# Altium PCB Coral Dev Board Micro.PcbDoc (part 5 of 6)
Units mm, origin at the board's own origin, x right, y up, seen from the top; angles counter-clockwise.
Board outline 65 x 30 mm, 8 copper layers (Top Layer, L2, L3, L4, L5, L6, L7, Bottom Layer), stack 1.582 mm thick; 356 components, 316 nets, 1515 pads, 809 vias.
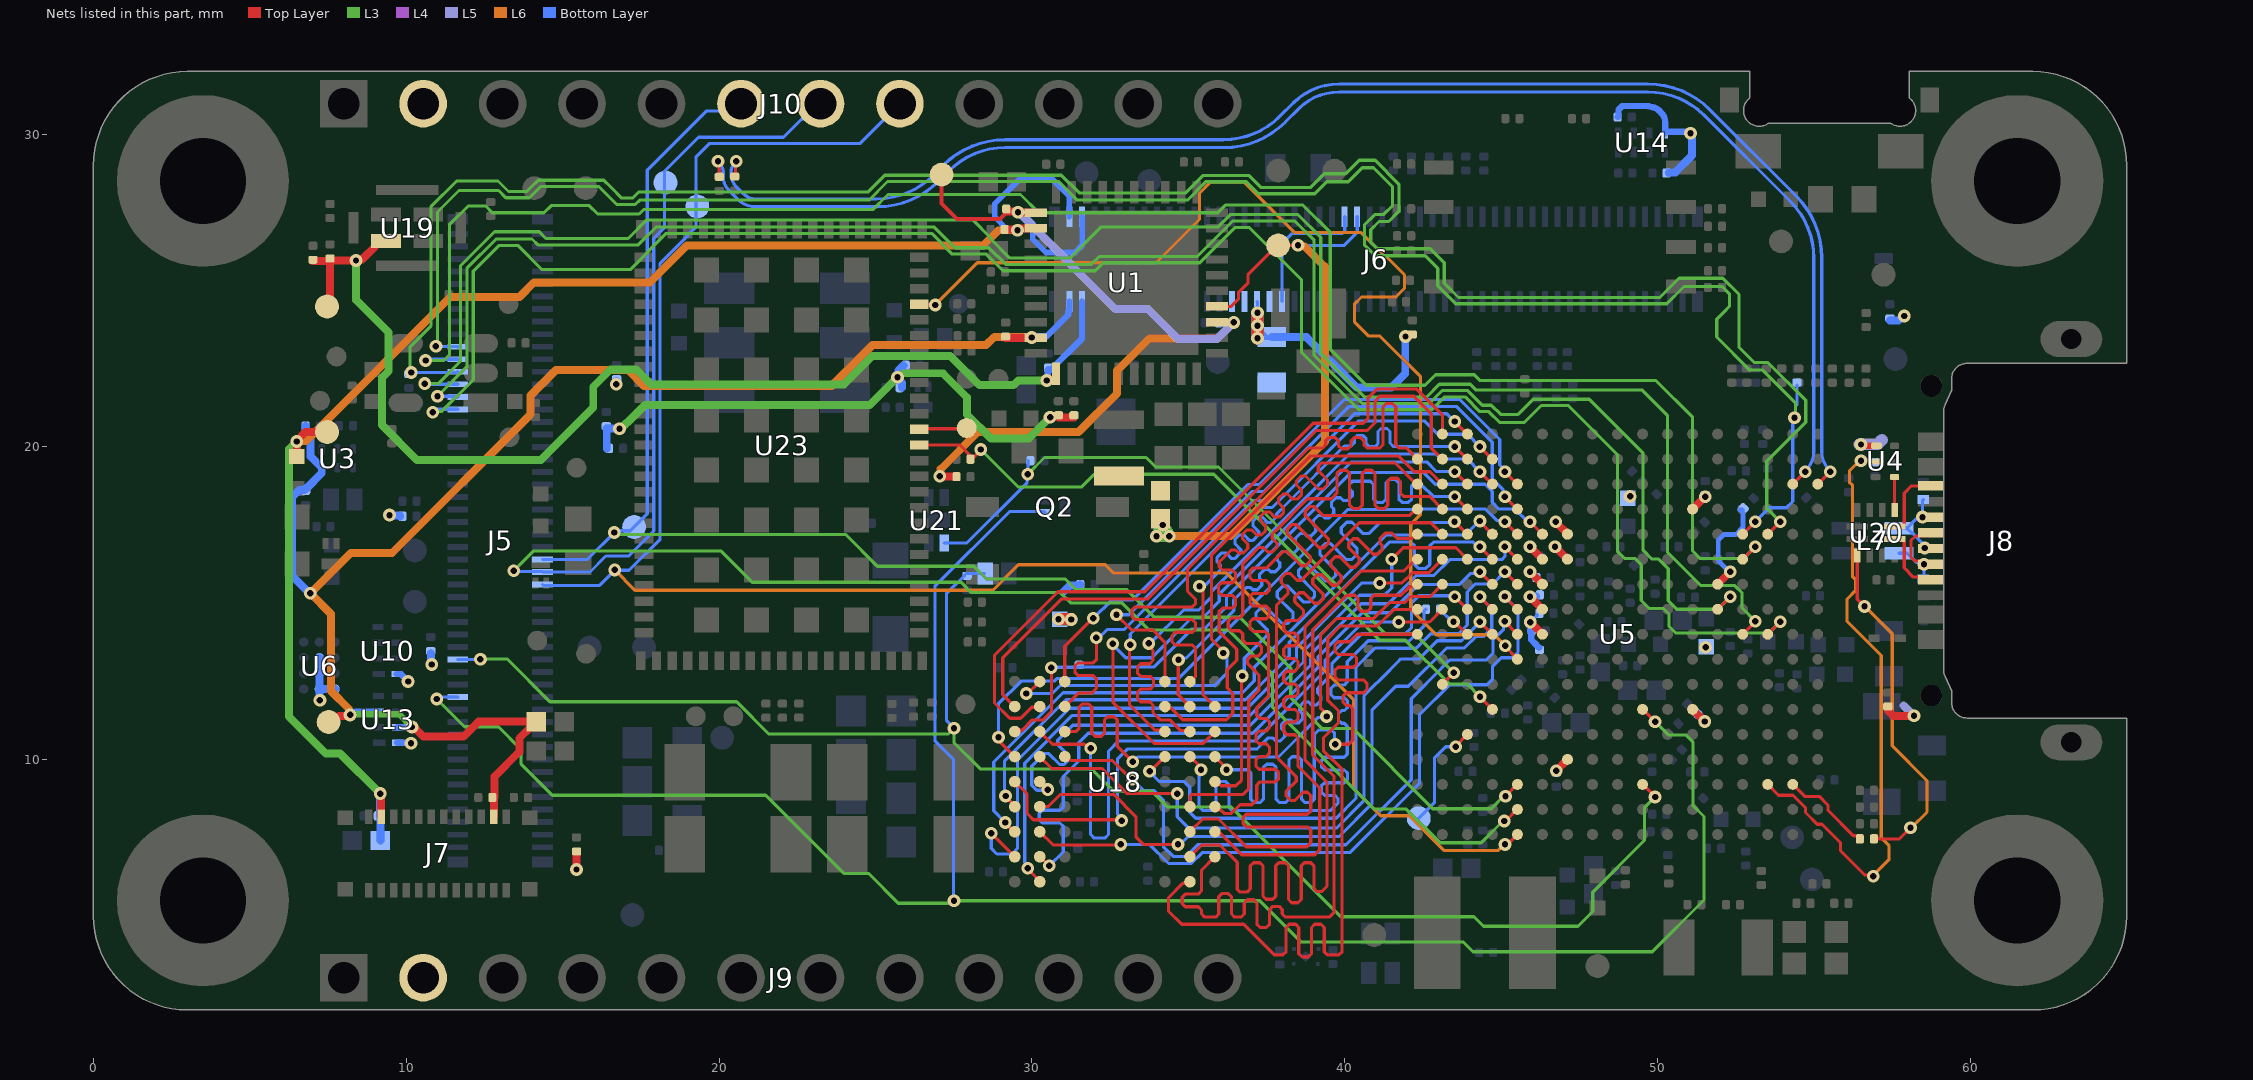
[diagram p11: the nets of this part, all layers, seen from the top]

## Via types
v1: diameter 0.406, hole 0.203, Top Layer to Bottom Layer, tented both sides, 809 vias

## Nets (pads, with @x,y where several pads share a name; then routed paths per layer and width w, separated by ;. In a path a pad name is that pad's centre, name@x,y a point inside that pad or via, vN(x,y) a via of type N, cw(c..) or ccw(c..) an arc to the next point about the centre after c; other vN are vias at no path point) (continued)
SEMC_A0: U5.A3 U18.H7 | length 19.1
  Top Layer w0.102: U18.H7@31.052,11.697 31.484,12.128 31.915,12.128 32.06,12.274 32.06,12.535 32.06,12.586 31.959,12.687 31.476,12.687 31.375,12.789 31.375,12.992 31.476,13.094 31.959,13.094 32.06,13.195 32.06,13.602 v1(32.06,13.899) ; v1(43.522,20.808) U5.A3@43.922,20.408
  Bottom Layer w0.102: v1(32.06,13.899) 32.143,13.899 32.404,14.16 32.956,14.16 37.084,18.288 37.548,18.288 40.317,21.057 43.268,21.057 43.516,20.808 v1(43.522,20.808)
SEMC_A1: U5.A2 U18.H8 | length 22.5
  Top Layer w0.102: U18.H8@30.252,11.697 30.233,11.678 29.994,11.678 29.638,11.321 29.296,11.321 28.806,11.812 28.806,13.339 30.834,15.367 33.606,15.367 38.991,20.752 40.589,20.752 40.742,20.904 40.742,21.558 41.028,21.844 42.306,21.844 43.122,21.028 U5.A2@43.122,20.408
SEMC_A2: U5.C2 U18.J8 | length 20.3
  Top Layer w0.102: v1(29.82,12.116) 29.872,12.116 U18.J8@30.252,12.497 ; v1(36.119,13.411) 36.119,13.475 35.738,13.856 35.738,16.528 38.92,19.71 41.714,19.71 42.222,19.202 42.728,19.202 U5.C2@43.122,18.808
  Bottom Layer w0.102: v1(29.82,12.116) 30.646,12.116 30.9,12.37 35.845,12.37 36.233,12.758 36.233,13.297 v1(36.119,13.411)
SEMC_A3: U5.C5 U18.J7 | length 20.5
  Top Layer w0.102: U18.J7@31.052,12.497 31.052,13.621 31.947,14.516 v1(31.966,14.516) ; v1(45.122,19.208) U5.C5@45.522,18.808
  Bottom Layer w0.102: v1(31.966,14.516) 32.55,15.1 33.21,15.1 36.906,18.796 37.262,18.796 39.98,21.514 43.678,21.514 44.932,20.261 44.958,20.234 44.958,19.42 45.122,19.256 v1(45.122,19.208)
SEMC_A4: U5.D5 U18.J3 | length 20.8
  Top Layer w0.102: v1(32.703,14.63) 33.185,14.148 33.858,14.148 34.252,13.754 34.252,13.672 U18.J3@34.252,12.497 ; v1(45.122,18.408) U5.D5@45.522,18.008
  Bottom Layer w0.102: v1(32.703,14.63) 33.096,14.63 37.033,18.567 37.414,18.567 40.132,21.285 43.584,21.285 44.703,20.166 44.703,20.161 44.716,20.149 44.716,18.975 45.064,18.627 45.064,18.466 v1@45.084,18.446
SEMC_A5: U5.B1 U18.J2 | length 21.5
  Top Layer w0.102: U18.J2@35.065,12.484 35.23,12.649 35.23,13.462 35.23,13.564 35.128,13.665 34.581,13.665 34.48,13.767 34.48,13.97 34.581,14.072 35.128,14.072 35.23,14.173 35.23,14.376 35.128,14.478 33.299,14.478 33.198,14.58 33.198,14.783 33.299,14.884 35.128,14.884 35.23,14.986 35.23,15.133 34.976,15.387 34.976,16.09 38.85,19.964 39.241,19.964 39.292,19.964 39.393,20.066 39.393,20.193 39.495,20.295 39.698,20.295 39.8,20.193 39.8,20.041 39.901,19.939 40.105,19.939 40.206,20.041 40.206,20.193 40.308,20.295 40.511,20.295 40.613,20.193 40.613,20.066 40.714,19.964 41.021,19.964 41.072,19.964 41.123,19.964 41.224,20.066 41.224,21.285 41.326,21.387 41.529,21.387 41.631,21.285 41.631,20.066 41.732,19.964 41.966,19.964 42.012,19.918 U5.B1@42.322,19.608 U5.B1@42.266,19.608
SEMC_A6: U5.C1 U18.H3 | length 20.9
  Top Layer w0.102: U18.H3@34.252,11.697 34.303,11.645 34.456,11.645 34.823,11.278 36.22,11.278 36.424,11.481 36.424,12.116 36.246,12.294 36.246,12.878 36.551,13.183 36.551,13.525 35.992,14.084 35.992,14.286 35.992,14.743 36.093,14.845 36.411,14.845 36.512,14.947 36.512,15.15 36.411,15.251 36.068,15.251 35.966,15.353 35.966,15.556 36.068,15.658 36.411,15.658 36.512,15.759 36.512,15.963 36.411,16.064 36.093,16.064 35.992,16.166 35.992,16.256 35.992,16.325 36.046,16.38 36.369,16.703 36.513,16.703 36.611,16.605 36.754,16.605 36.898,16.749 36.898,16.893 36.733,17.057 36.733,17.201 36.877,17.345 37.021,17.345 37.185,17.18 37.329,17.18 37.473,17.324 37.473,17.467 37.308,17.632 37.308,17.776 37.452,17.919 37.596,17.919 37.76,17.755 37.904,17.755 38.047,17.898 38.047,18.042 37.883,18.207 37.883,18.35 38.027,18.494 38.17,18.494 38.335,18.329 38.479,18.329 38.622,18.473 38.622,18.617 38.458,18.781 38.458,18.925 38.601,19.069 38.745,19.069 39.163,18.651 39.306,18.651 39.45,18.795 39.45,18.939 39.152,19.237 39.152,19.38 39.254,19.482 39.488,19.482 41.618,19.482 42.292,18.808 U5.C1@42.322,18.808
SEMC_A7: U5.D3 U18.H2 | length 18.4
  Top Layer w0.102: v1(34.686,13.198) 34.676,13.188 34.676,12.072 U18.H2@35.052,11.697 ; v1(43.522,18.408) U5.D3@43.922,18.008
  Bottom Layer w0.102: v1(34.686,13.198) 34.737,13.248 34.936,13.248 35.658,13.97 36.454,14.766 36.454,15.107 36.524,15.178 36.847,15.501 36.991,15.501 37.062,15.43 37.205,15.43 37.349,15.574 37.349,15.718 37.278,15.788 37.278,15.932 37.422,16.076 37.566,16.076 37.636,16.005 37.78,16.005 37.924,16.149 37.924,16.293 37.853,16.363 37.853,16.507 37.997,16.65 38.141,16.65 38.211,16.58 38.355,16.58 38.498,16.724 38.498,16.867 38.428,16.938 38.428,17.081 38.572,17.225 38.715,17.225 38.786,17.155 38.929,17.155 39.073,17.298 39.073,17.442 39.003,17.512 39.003,17.656 39.146,17.8 39.29,17.8 39.36,17.729 39.504,17.729 39.648,17.873 39.648,18.017 39.577,18.087 39.577,18.231 39.721,18.375 39.865,18.375 39.954,18.286 40.097,18.286 40.241,18.43 40.241,18.573 40.152,18.662 40.152,18.806 40.22,18.873 40.244,18.898 40.361,18.898 40.818,18.898 40.919,18.796 40.919,18.326 41.021,18.224 41.224,18.224 41.326,18.326 41.326,18.851 41.427,18.953 41.631,18.953 41.732,18.851 41.732,18.326 41.834,18.224 42.037,18.224 42.139,18.326 42.139,18.754 42.24,18.856 42.384,18.856 42.469,18.771 42.824,18.415 43.515,18.415 v1(43.522,18.408)
SEMC_A8: U5.B3 U18.H1 | length 18.1
  Top Layer w0.102: v1(35.357,15.545) 35.471,15.43 35.471,12.078 U18.H1@35.852,11.697 ; v1(43.522,20.008) U5.B3@43.922,19.608
  Bottom Layer w0.102: v1(35.357,15.545) 35.509,15.545 35.96,15.996 36.032,16.067 36.032,16.211 35.919,16.324 35.919,16.467 36.063,16.611 36.207,16.611 36.391,16.427 36.48,16.427 36.678,16.625 36.678,16.714 36.494,16.898 36.494,17.042 36.638,17.186 36.782,17.186 36.966,17.001 37.055,17.001 37.253,17.2 37.253,17.289 37.069,17.473 37.069,17.617 37.213,17.761 37.356,17.761 37.541,17.576 37.63,17.576 37.828,17.775 37.828,17.864 38.106,18.142 39.99,20.026 40.157,20.026 40.208,20.026 40.303,20.121 40.303,20.265 40.399,20.361 40.589,20.361 40.684,20.265 40.684,20.096 40.78,20.001 40.97,20.001 41.065,20.096 41.065,20.491 41.161,20.587 41.351,20.587 41.446,20.491 41.446,20.121 ; 41.446,20.306 41.446,20.121 ; v1(43.522,20.008) 41.56,20.008 41.446,20.121
SEMC_A9: U5.B4 U18.G3 | length 18.7
  Top Layer w0.102: v1(33.147,13.671) 33.122,13.646 33.122,11.76 33.934,10.948 34.201,10.948 U18.G3@34.252,10.897 ; v1(44.322,20.008) U5.B4@44.722,19.608
  Bottom Layer w0.102: v1(33.147,13.671) 33.147,14.018 37.118,17.989 37.188,18.059 37.679,18.059 40.448,20.828 42.545,20.828 42.971,20.402 43.928,20.402 v1(44.322,20.008)
SEMC_A10: U5.B2 U18.H9 | length 21.1
  Top Layer w0.102: U18.H9@29.452,11.697 29.07,12.078 29.07,13.252 30.957,15.138 33.701,15.138 39.086,20.523 40.716,20.523 40.97,20.777 40.97,21.463 41.123,21.615 42.212,21.615 42.769,21.058 42.769,19.961 U5.B2@43.122,19.608
SEMC_A11: U5.C4 U18.G2 | length 19.2
  Top Layer w0.102: v1(33.731,13.716) 33.731,13.634 33.871,13.494 33.871,13.399 33.871,13.17 33.769,13.068 33.477,13.068 33.376,12.967 33.376,12.764 33.477,12.662 33.788,12.662 33.889,12.56 33.889,12.357 33.788,12.256 33.477,12.256 33.376,12.154 33.376,11.951 33.477,11.849 33.769,11.849 33.871,11.748 33.871,11.697 33.871,11.506 34.105,11.272 34.408,11.272 34.746,10.934 35.015,10.934 U18.G2@35.052,10.897 ; v1(44.322,19.208) U5.C4@44.722,18.808
  Bottom Layer w0.102: v1(33.731,13.716) 33.786,13.716 34.852,14.783 35.331,14.783 35.738,15.189 35.738,15.361 38.51,18.134 40.149,19.772 42.915,19.772 43.073,19.614 43.916,19.614 v1(44.322,19.208)
SEMC_A12: U5.C3 U18.G1 | length 20.4
  Top Layer w0.102: v1(32.588,13.708) 32.588,11.836 33.903,10.521 35.477,10.521 U18.G1@35.852,10.897 ; v1(43.522,19.208) U5.C3@43.922,18.808
  Bottom Layer w0.102: v1(32.588,13.708) 32.588,13.673 33.003,13.259 33.831,13.259 35.101,14.529 35.458,14.529 35.992,15.062 35.992,15.292 40.218,19.518 42.623,19.518 42.933,19.208 v1(43.522,19.208)
SEMC_BA0: U5.G2 U18.G7 | length 19.5
  Top Layer w0.102: U18.G7@31.052,10.897 31.356,10.897 31.407,10.897 31.509,10.998 31.509,11.678 31.61,11.78 31.814,11.78 31.915,11.678 31.915,10.846 32.017,10.744 32.22,10.744 32.322,10.846 32.322,11.272 32.423,11.373 32.626,11.373 32.728,11.272 32.728,10.427 33.084,10.071 v1(33.223,9.931) ; v1(39.421,11.379) 39.421,11.451 39.23,11.642 39.23,13.995 39.751,14.516 40.93,14.516 41.439,15.024 41.925,15.024 42.116,15.215 42.729,15.215 U5.G2@43.122,15.608
  Bottom Layer w0.102: v1(33.223,9.931) 33.376,10.084 37.884,10.084 39.15,11.35 39.392,11.35 v1(39.421,11.379)
SEMC_BA1: U5.H2 U18.G8 | length 20.7
  Top Layer w0.102: U18.G8@30.252,10.897 30.659,10.49 31.674,10.49 31.801,10.363 v1(31.877,10.363) ; v1(41.732,14.402) 42.716,14.402 U5.H2@43.122,14.808
  Bottom Layer w0.102: v1(31.877,10.363) 31.877,7.607 31.991,7.493 32.334,7.493 32.448,7.607 32.448,10.274 32.766,10.592 37.124,10.592 39.37,12.838 39.37,13.18 40.592,14.402 v1(41.732,14.402)
SEMC_CAS: U5.J5 U18.F7 | length 21.9
  Top Layer w0.102: U18.F7@31.052,10.097 31.118,10.097 31.245,9.97 32.575,9.97 33.172,9.373 v1(33.21,9.373) ; v1@45.11,14.427 45.11,14.423 45.522,14.012 U5.J5@45.522,14.008
  Bottom Layer w0.102: v1(33.21,9.373) 33.566,9.017 33.899,9.017 34.205,8.711 34.205,7.217 34.513,6.909 34.932,6.909 35.3,7.277 40.043,7.277 42.126,9.36 42.126,11.951 43.104,12.929 43.104,12.934 43.327,13.157 43.332,13.157 43.358,13.183 44.517,13.183 44.741,13.406 44.741,13.829 45.081,14.169 45.081,14.397 v1@45.11,14.427
  other v1: 45.122,14.427
SEMC_CKE: R135.2 U5.G5 U18.F3 | length 20
  Top Layer w0.102: v1(33.763,9.627) 33.782,9.627 U18.F3@34.252,10.097 ; v1(45.122,16.008) U5.G5@45.522,15.608
  Bottom Layer w0.102: R135.2@33.756,9.576 33.8,9.576 34.079,9.296 34.874,9.296 35.049,9.122 35.049,8.322 35.242,8.128 39.726,8.128 40.361,8.763 40.361,12.954 40.98,13.574 41.362,13.574 41.372,13.564 42.293,13.564 42.757,14.027 43.638,14.027 43.916,14.305 43.916,15.358 44.172,15.614 44.728,15.614 v1(45.122,16.008)
SEMC_CLK: R365.1 U5.J3 | length 1.2
  Top Layer w0.102: v1@43.478,14.427 43.49,14.427 43.909,14.008 U5.J3@43.922,14.008
  Bottom Layer w0.102: R365.1@43.047,14.808 43.047,14.796 43.435,14.408 v1(43.478,14.408)
SEMC_CLK_R: R365.2 U18.F2 | length 19.7
  Top Layer w0.102: U18.F2@35.052,10.097 35.065,10.097 35.408,9.754 v1(35.408,9.677)
  Bottom Layer w0.102: v1(35.408,9.677) 35.349,9.619 35.349,9.471 35.344,9.465 35.344,8.496 35.471,8.369 35.535,8.369 35.789,8.369 35.89,8.471 35.89,9.195 35.992,9.296 36.195,9.296 36.297,9.195 36.297,8.471 36.398,8.369 36.855,8.369 39.543,8.369 39.734,8.56 39.784,8.611 39.784,8.754 39.683,8.856 39.357,8.856 39.256,8.957 39.256,9.161 39.357,9.262 39.992,9.262 40.094,9.364 40.094,9.567 39.992,9.669 39.357,9.669 39.256,9.77 39.256,9.973 39.357,10.075 39.98,10.075 40.081,10.177 40.081,10.274 40.081,11.011 40.081,11.062 39.98,11.163 39.903,11.163 39.802,11.265 39.802,11.468 39.903,11.57 39.992,11.57 40.094,11.671 40.094,11.875 39.992,11.976 39.663,11.976 39.561,12.078 39.561,12.281 39.663,12.383 39.98,12.383 40.081,12.484 40.081,12.89 40.081,13.132 40.752,13.802 41.456,13.802 41.467,13.792 42.062,13.792 42.532,14.262 42.532,14.743 R365.2@42.597,14.808
SEMC_CS0: R90.1 U5.E6 U18.G9 | length 22.3
  Top Layer w0.102: U18.G9@29.452,10.884 29.508,10.94 29.686,10.94 30.017,11.272 30.359,11.272 30.628,11.541 30.628,12.934 v1(30.622,12.939) ; v1(45.922,17.608) U5.E6@46.322,17.208
  Bottom Layer w0.102: v1(30.622,12.939) 30.638,12.954 31.509,12.954 31.513,12.958 33.889,12.958 35.105,14.173 35.502,14.173 36.225,14.896 36.225,15.202 40.205,19.182 42.515,19.182 42.895,18.802 44.485,18.802 44.716,18.571 44.716,18.226 44.927,18.014 45.442,18.014 45.848,17.608 v1(45.922,17.608)
SEMC_D0: U5.F3 U18.A8 | length 21.9
  Top Layer w0.102: v1(29.87,6.528) 29.87,6.503 30.252,6.122 U18.A8@30.252,6.097 U18.A8@30.26,6.089 ; v1(41.504,16.408) 41.869,16.774 43.556,16.774 U5.F3@43.922,16.408
  Bottom Layer w0.102: v1(29.87,6.528) 29.87,6.61 29.769,6.712 29.769,9.888 31.296,11.415 36.977,11.415 38.684,13.122 38.684,13.464 40.473,15.253 41.268,15.253 41.504,15.489 v1(41.504,16.408)
SEMC_D1: U5.F2 U18.B9 | length 21.8
  Top Layer w0.102: v1(28.703,7.645) U18.B9@29.452,6.897 ; v1(41.123,15.646) 41.829,15.646 41.969,15.786 41.975,15.786 42.166,15.977 42.691,15.977 U5.F2@43.122,16.408
  Bottom Layer w0.102: v1(28.703,7.645) 28.703,7.161 28.88,6.985 29.362,6.985 29.54,7.163 29.54,9.982 31.201,11.643 36.882,11.643 38.456,13.216 38.456,13.559 40.543,15.646 v1(41.123,15.646)
SEMC_D2: U5.G4 U18.B8 | length 21.9
  Top Layer w0.102: U18.B8@30.252,6.897 30.258,6.897 30.551,6.604 v1(30.556,6.604) ; v1(44.322,16.008) U5.G4@44.722,15.608
  Bottom Layer w0.102: v1(30.556,6.604) 31.001,7.048 31.001,7.823 31.001,7.874 30.899,7.976 30.337,7.976 30.235,8.077 30.235,8.28 30.337,8.382 30.899,8.382 31.001,8.484 31.001,8.877 31.001,9.461 31.496,9.957 31.496,10.539 31.803,10.846 37.055,10.846 39.141,12.932 39.141,13.275 40.564,14.698 41.462,14.698 42.366,15.602 43.672,15.602 44.025,15.955 44.269,15.955 v1(44.322,16.008)
SEMC_D3: U5.E4 U18.C9 | length 22.1
  Top Layer w0.102: v1(29.146,7.992) 29.146,7.97 29.42,7.697 U18.C9@29.452,7.697 ; v1@44.298,17.628 44.3,17.628 44.72,17.208 U5.E4@44.722,17.208
  Bottom Layer w0.102: v1(29.146,7.992) 28.778,8.36 28.778,9.924 30.995,12.141 36.734,12.141 37.109,12.517 37.109,12.96 41.333,17.183 43.853,17.183 44.298,17.628 v1(44.322,17.628)
SEMC_D4: U5.H5 U18.C8 | length 22.6
  Top Layer w0.102: U18.C8@30.252,7.697 30.676,7.272 32.825,7.272 v1(32.842,7.29) ; v1@45.11,15.215 45.113,15.215 U5.H5@45.52,14.808 ; U5.H5@45.494,14.808 U5.H5@45.52,14.808 ; U5.H5@45.522,14.808 U5.H5@45.52,14.808
  Bottom Layer w0.102: v1(32.842,7.29) 33.757,7.29 34.366,6.68 35.103,6.68 35.458,7.036 40.183,7.036 42.393,9.246 42.393,11.43 43.358,12.395 44.552,12.395 44.729,12.573 44.729,12.985 44.953,13.208 44.958,13.208 45.009,13.259 45.364,13.259 45.542,13.437 45.542,14.783 45.122,15.203 v1(45.122,15.215)
SEMC_D5: U5.F4 U18.D9 | length 22
  Top Layer w0.102: v1(29.159,8.839) 29.159,8.814 29.452,8.522 U18.D9@29.452,8.497 ; v1(44.322,16.808) U5.F4@44.722,16.408
  Bottom Layer w0.102: v1(29.159,8.839) 29.121,8.877 29.121,9.944 31.09,11.913 36.829,11.913 38.227,13.311 38.227,13.754 41.427,16.954 41.58,16.954 41.593,16.954 42.113,16.954 42.234,16.834 42.234,16.236 42.355,16.115 42.596,16.115 42.716,16.236 42.716,16.834 42.837,16.954 43.293,16.954 44.11,16.954 44.257,16.808 v1(44.322,16.808)
SEMC_D6: U5.H4 U18.D8 | length 22
  Top Layer w0.102: U18.D8@30.252,8.497 30.256,8.501 30.525,8.501 30.914,8.89 32.614,8.89 33.325,8.179 33.325,7.531 33.566,7.29 v1(34.671,7.29) ; v1(44.322,15.208) U5.H4@44.722,14.808
  Bottom Layer w0.102: v1(34.671,7.29) 34.743,7.29 34.997,7.544 39.827,7.544 40.869,8.585 40.869,11.582 41.631,12.344 42.037,12.344 43.262,13.57 43.827,13.57 44.202,13.945 44.45,13.945 44.703,14.198 44.703,14.827 v1(44.322,15.208)
SEMC_D7: U5.H3 U18.E9 | length 21.9
  Top Layer w0.102: U18.E9@29.452,9.297 29.845,8.904 29.845,8.28 30.048,8.077 32.842,8.077 v1(32.868,8.052) ; v1(43.522,15.208) U5.H3@43.922,14.808
  Bottom Layer w0.102: v1(32.868,8.052) 32.868,8.127 32.741,8.254 32.741,10.033 33.045,10.338 37.193,10.338 37.228,10.372 37.551,10.695 37.695,10.695 37.795,10.595 37.939,10.595 38.083,10.738 38.083,10.882 37.982,10.983 37.982,11.126 38.126,11.27 38.269,11.27 38.37,11.169 38.514,11.169 38.657,11.313 38.657,11.457 38.557,11.557 38.557,11.701 38.7,11.845 38.844,11.845 38.945,11.744 39.088,11.744 39.232,11.888 39.232,12.032 39.131,12.132 39.131,12.276 39.202,12.347 39.599,12.743 39.599,13.085 40.544,14.031 41.551,14.031 41.561,14.021 41.933,14.021 42.139,14.226 42.139,15.011 42.367,15.24 43.49,15.24 v1(43.522,15.208)
SEMC_D8: U5.E3 U18.E1 | length 21.7
  Top Layer w0.102: U18.E1@35.852,9.297 35.914,9.297 36.046,9.165 36.52,9.165 36.703,9.347 v1@36.703,12.599 ; v1(43.51,17.602) 43.519,17.602 43.913,17.208 U5.E3@43.922,17.208
  Bottom Layer w0.102: v1(36.728,12.675) 36.787,12.733 36.787,13.246 37.488,13.947 37.524,13.983 37.524,14.154 37.16,14.517 37.16,14.688 37.331,14.858 37.502,14.858 38.008,14.352 38.178,14.352 38.349,14.523 38.349,14.693 37.843,15.2 37.843,15.37 38.013,15.541 38.184,15.541 38.69,15.035 38.861,15.035 39.032,15.205 39.032,15.376 38.525,15.882 38.525,16.053 38.696,16.223 38.867,16.223 39.373,15.717 39.543,15.717 39.714,15.888 39.714,16.058 39.208,16.565 39.208,16.735 39.378,16.906 39.549,16.906 40.055,16.4 40.226,16.4 40.397,16.57 40.397,16.741 39.89,17.247 39.89,17.418 40.061,17.588 40.232,17.588 40.595,17.225 40.766,17.225 41.114,17.574 41.117,17.577 43.485,17.577 v1(43.51,17.602)
SEMC_D9: U5.D2 U18.D2 | length 24.6
  Top Layer w0.102: U18.D2@35.052,8.497 35.056,8.501 35.056,8.83 35.115,8.89 36.754,8.89 36.932,9.068 36.932,11.887 37.262,12.217 37.262,12.7 37.109,12.852 36.897,13.064 36.897,13.208 36.999,13.31 37.236,13.31 37.338,13.411 37.338,13.614 37.236,13.716 36.843,13.716 36.741,13.818 36.741,13.97 36.741,14.021 36.639,14.122 36.379,14.122 36.277,14.224 36.277,14.427 36.379,14.529 36.639,14.529 36.741,14.63 36.741,14.986 36.741,16.269 36.932,16.459 37.255,16.782 37.399,16.782 37.544,16.637 37.688,16.637 37.831,16.781 37.831,16.924 37.686,17.07 37.686,17.214 37.859,17.386 38.811,18.339 39.573,18.339 39.598,18.364 39.75,18.517 39.75,19.152 39.852,19.253 40.055,19.253 40.157,19.152 40.157,18.132 40.258,18.031 40.462,18.031 40.563,18.132 40.563,19.152 40.665,19.253 40.868,19.253 40.97,19.152 40.97,18.132 41.071,18.031 41.274,18.031 41.376,18.132 41.376,18.892 41.478,18.994 41.681,18.994 41.782,18.892 41.782,18.517 41.884,18.415 42.176,18.415 42.715,18.415 U5.D2@43.122,18.008
SEMC_D10: U5.D1 U18.D1 | length 24.7
  Top Layer w0.102: U18.D1@35.852,8.497 35.925,8.497 36.024,8.398 36.027,8.398 36.144,8.28 36.373,8.28 36.652,8.56 37.033,8.56 37.059,8.585 37.186,8.712 37.186,9.186 37.287,9.288 37.785,9.288 37.887,9.389 37.887,9.592 37.785,9.694 37.262,9.694 37.16,9.796 37.16,9.999 37.262,10.1 37.49,10.1 37.592,10.202 37.592,10.405 37.49,10.507 37.262,10.507 37.16,10.608 37.16,10.812 37.262,10.913 37.49,10.913 37.592,11.015 37.592,11.218 37.49,11.32 37.287,11.32 37.186,11.421 37.186,11.633 37.186,11.659 37.567,12.04 37.567,13.945 37.567,13.995 37.465,14.097 37.071,14.097 36.97,14.199 36.97,14.402 37.071,14.503 37.49,14.503 37.592,14.605 37.592,14.808 37.49,14.91 37.071,14.91 36.97,15.011 36.97,15.215 37.071,15.316 37.49,15.316 37.592,15.418 37.592,15.621 37.49,15.723 37.071,15.723 36.97,15.824 36.97,16.027 37.071,16.129 37.503,16.129 37.681,16.307 37.7,16.326 38.023,16.649 38.167,16.649 38.617,16.199 38.761,16.199 38.905,16.343 38.905,16.486 38.165,17.226 38.165,17.369 38.309,17.513 38.452,17.513 39.192,16.774 39.336,16.774 39.479,16.917 39.479,17.061 38.74,17.8 38.74,17.944 38.884,18.088 39.027,18.088 39.313,17.802 39.424,17.802 42.065,17.802 42.271,18.008 U5.D1@42.322,18.008
SEMC_D11: U5.E2 U18.C2 | length 25
  Top Layer w0.102: U18.C2@35.052,7.697 35.458,8.103 35.966,8.103 36.855,7.214 38.786,7.214 38.913,7.341 38.913,7.645 38.913,7.747 38.811,7.849 36.855,7.849 36.754,7.95 36.754,8.153 36.855,8.255 38.811,8.255 38.913,8.357 38.913,8.534 38.913,8.738 38.913,8.855 38.811,8.956 38.668,8.956 38.409,8.698 38.266,8.698 38.122,8.842 38.122,8.985 38.449,9.312 38.449,9.456 38.125,9.779 37.821,10.084 ; 37.954,9.95 37.821,10.084 ; U5.E2@43.122,17.208 42.757,17.574 40.459,17.574 38.76,15.875 38.618,15.732 38.474,15.732 38.257,15.95 38.113,15.95 37.969,15.806 37.969,15.662 38.187,15.445 38.187,15.301 38.151,15.265 37.821,14.935 37.821,10.084
SEMC_D12: U5.E1 U18.C1 | length 24.7
  Top Layer w0.102: U18.C1@35.852,7.697 35.903,7.645 36.021,7.645 36.5,7.166 36.707,6.96 39.04,6.96 39.205,7.125 39.205,9.093 38.506,9.792 38.506,9.83 38.506,10.693 38.405,10.795 38.151,10.795 38.049,10.897 38.049,11.1 38.151,11.201 38.405,11.201 38.506,11.303 38.506,11.506 38.405,11.608 38.151,11.608 38.049,11.709 38.049,11.913 38.151,12.014 38.405,12.014 38.506,12.116 38.506,12.319 38.405,12.421 38.151,12.421 38.049,12.522 38.049,12.725 38.151,12.827 38.405,12.827 38.506,12.929 38.506,13.132 38.405,13.233 38.151,13.233 38.049,13.335 38.049,13.538 38.151,13.64 38.405,13.64 38.506,13.741 38.506,13.945 38.405,14.046 38.151,14.046 38.049,14.148 38.049,14.351 38.151,14.453 38.506,14.453 38.583,14.529 38.646,14.592 38.682,14.628 38.682,14.772 38.403,15.051 38.403,15.194 38.547,15.338 38.691,15.338 39.027,15.002 39.171,15.002 39.314,15.145 39.314,15.289 38.978,15.626 38.978,15.769 39.122,15.913 39.265,15.913 39.602,15.576 39.746,15.576 39.889,15.72 39.889,15.864 39.553,16.2 39.553,16.344 39.696,16.488 39.84,16.488 40.177,16.151 40.32,16.151 40.464,16.295 40.464,16.438 40.127,16.775 40.127,16.919 40.271,17.062 40.415,17.062 40.91,16.568 41.053,16.568 41.197,16.711 41.197,16.855 41.125,16.927 41.125,17.071 41.262,17.208 41.3,17.247 41.504,17.247 41.681,17.069 42.138,17.069 42.277,17.208 U5.E1@42.322,17.208
SEMC_D13: U5.F1 U18.B2 | length 24.8
  Top Layer w0.102: U18.B2@35.052,6.897 35.428,7.272 36.008,7.272 36.563,6.717 36.563,5.855 36.652,5.766 36.83,5.766 36.881,5.766 36.982,5.867 36.982,6.604 37.084,6.706 37.287,6.706 37.389,6.604 37.389,5.638 37.49,5.536 37.694,5.536 37.795,5.638 37.795,6.604 37.897,6.706 38.1,6.706 38.202,6.604 38.202,5.528 38.303,5.427 38.506,5.427 38.608,5.528 38.608,6.604 38.71,6.706 38.913,6.706 39.014,6.604 39.014,5.884 39.116,5.782 39.26,5.782 39.421,5.944 39.433,5.956 39.433,9.284 38.735,9.982 38.735,14.242 40.52,16.027 41.881,16.027 42.262,16.408 U5.F1@42.322,16.408
SEMC_D14: U5.G1 U18.B1 | length 24.6
  Top Layer w0.102: U18.B1@35.852,6.897 35.42,6.465 35.42,6.337 35.42,5.804 35.319,5.702 34.905,5.702 34.804,5.601 34.804,5.398 34.905,5.296 35.319,5.296 35.42,5.194 35.42,5.143 35.42,5.067 35.522,4.966 35.636,4.966 35.872,4.966 35.974,5.067 35.974,5.616 36.076,5.718 36.279,5.718 36.38,5.616 36.38,5.067 36.482,4.966 36.685,4.966 36.787,5.067 36.787,5.418 36.888,5.519 37.092,5.519 37.193,5.418 37.193,4.735 37.295,4.634 37.498,4.634 37.6,4.735 37.6,5.206 37.701,5.307 37.904,5.307 38.006,5.206 38.006,5.067 38.108,4.966 38.565,4.966 39.51,4.966 39.662,5.118 39.662,9.462 38.976,10.147 38.976,14.16 40.069,15.253 40.157,15.253 40.322,15.253 40.424,15.151 40.424,14.846 40.526,14.745 40.729,14.745 40.83,14.846 40.83,15.151 40.932,15.253 40.983,15.253 41.795,15.253 42.074,15.532 42.246,15.532 U5.G1@42.322,15.608